# KiCad board Amiga A500 Keyboard - Mitsumi A619A Membrane - Mapping.kicad_pcb
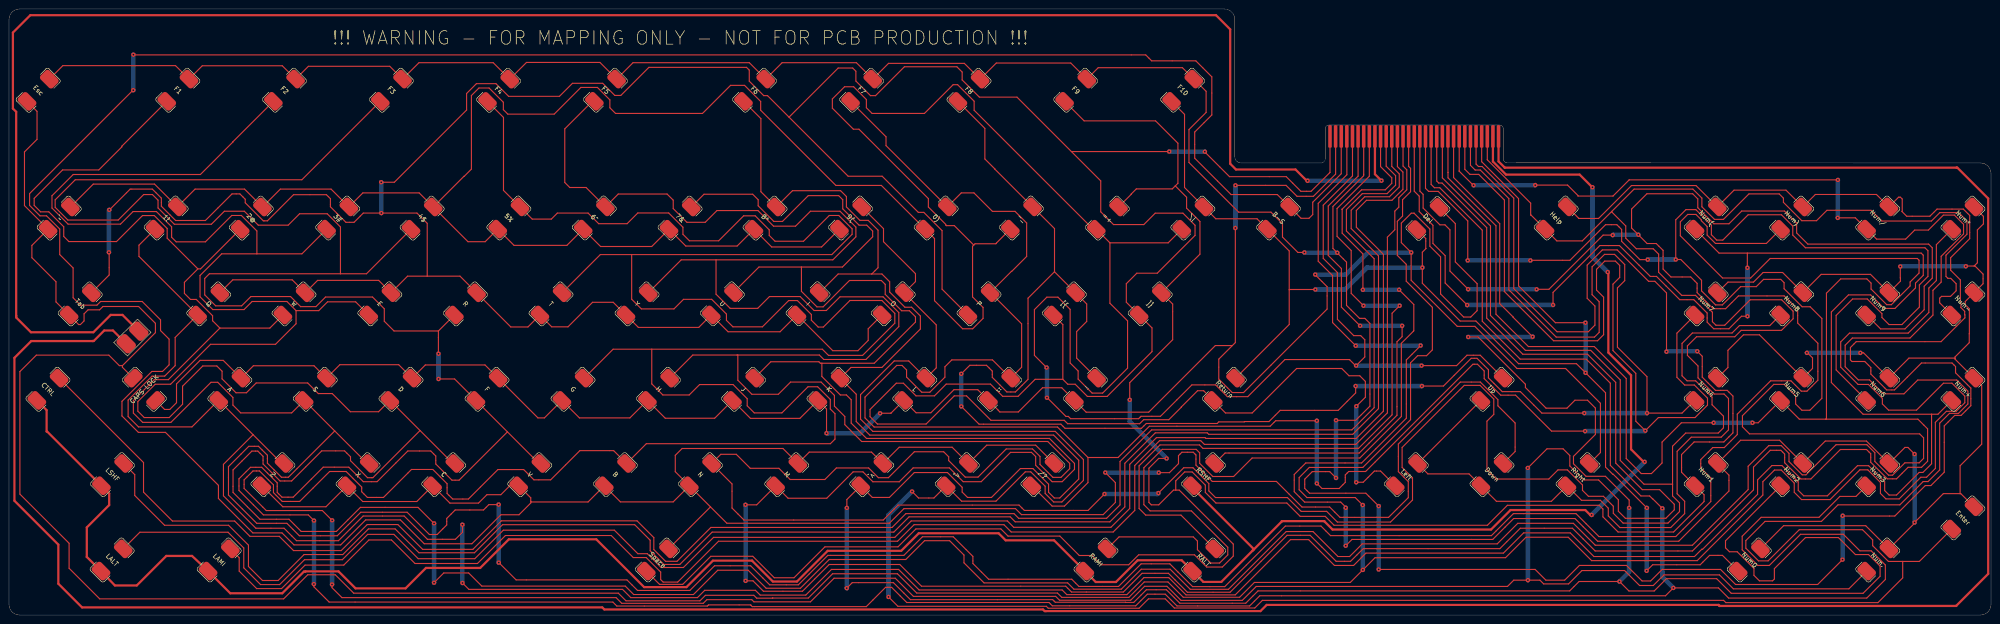
[diagram p0: board, top side]
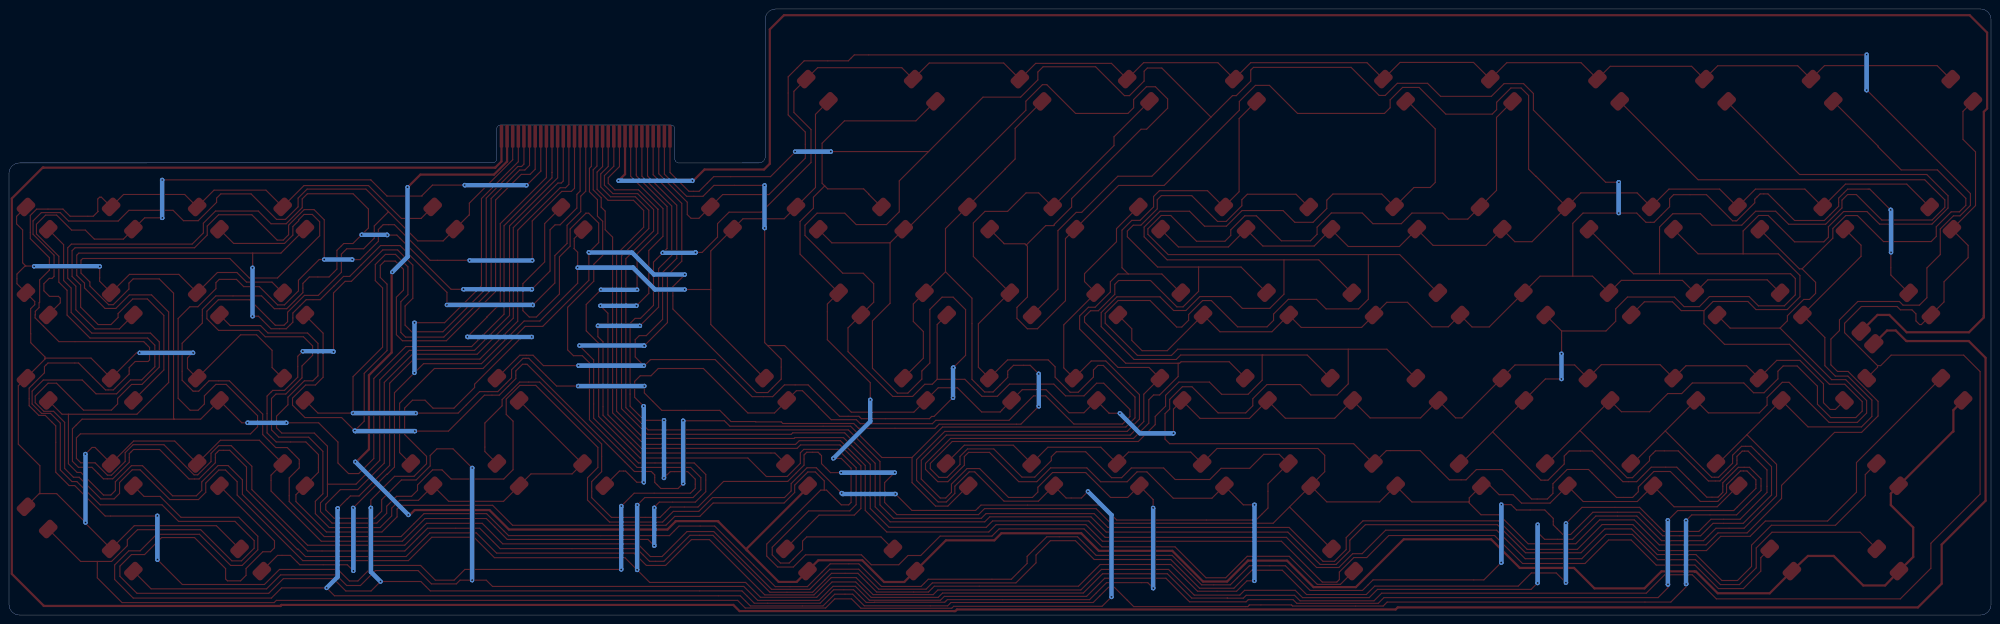
[diagram p1: board, bottom side, seen from below]

Outline 441 x 134.9 mm; copper layers: Top, Bottom. Coordinates in mm from the lower left corner of the outline.
Outline path: 0,2.32 0,132.57 arc(0.68,134.21) 2.32,134.9 270.41,134.9 arc(272.05,134.22) 272.74,132.58 272.74,102.02 arc(273.16,101.04) 274.14,100.63 291.97,100.62 arc(292.59,100.88) 292.85,101.51 292.85,108.19 arc(293.11,108.82) 293.73,109.07 331.62,109.07 arc(332.24,108.82) 332.5,108.19 332.5,101.53 arc(332.76,100.91) 333.38,100.65 438.67,100.63 arc(440.31,99.95) 441,98.31 441,2.33 arc(440.32,0.69) 438.68,0 2.33,0 arc(0.69,0.68) 0,2.32
Stack: Top 0.035mm / dielectric 1.51mm FR4 er 4.5 / Bottom 0.035mm

## Placement (name value [footprint] x y rotation side)
J1  Conn_01x31  [A500 Mitsumi Keyboard Edge Connector]  293.93 109.03 0 top
LED1  LED  [Amiga_Mitsumi_LED_Pad]  27.48 61.78 0 top
SW1  Num*  [Amiga_Mitsumi_Key_Pad]  434.75 88.35 315 top
SW2  Num+  [Amiga_Mitsumi_Key_Pad]  434.75 50.25 315 top
SW3  Num9  [Amiga_Mitsumi_Key_Pad]  415.8 69.27 315 top
SW4  Num6  [Amiga_Mitsumi_Key_Pad]  415.8 50.25 315 top
SW5  Num3  [Amiga_Mitsumi_Key_Pad]  415.8 31.25 315 top
SW6  Num.  [Amiga_Mitsumi_Key_Pad]  415.8 12.25 315 top
SW7  Num8  [Amiga_Mitsumi_Key_Pad]  396.65 69.27 315 top
SW8  Num5  [Amiga_Mitsumi_Key_Pad]  396.65 50.25 315 top
SW9  Num2  [Amiga_Mitsumi_Key_Pad]  396.65 31.25 315 top
SW10  Enter  [Amiga_Mitsumi_Key_Pad]  434.74 21.62 315 top
SW11  Num7  [Amiga_Mitsumi_Key_Pad]  377.62 69.25 315 top
SW12  Num4  [Amiga_Mitsumi_Key_Pad]  377.62 50.26 315 top
SW13  Num1  [Amiga_Mitsumi_Key_Pad]  377.62 31.25 315 top
SW14  Num0  [Amiga_Mitsumi_Key_Pad]  387.22 12.25 315 top
SW15  Num-  [Amiga_Mitsumi_Key_Pad]  434.75 69.27 315 top
SW17  Z  [Amiga_Mitsumi_Key_Pad]  58.73 31.25 135 top
SW18  X  [Amiga_Mitsumi_Key_Pad]  77.67 31.25 135 top
SW19  C  [Amiga_Mitsumi_Key_Pad]  96.72 31.25 135 top
SW20  V  [Amiga_Mitsumi_Key_Pad]  115.88 31.25 135 top
SW21  B  [Amiga_Mitsumi_Key_Pad]  134.93 31.25 135 top
SW22  N  [Amiga_Mitsumi_Key_Pad]  153.85 31.25 135 top
SW23  M  [Amiga_Mitsumi_Key_Pad]  173.04 31.25 315 top
SW24  ,<  [Amiga_Mitsumi_Key_Pad]  191.97 31.25 315 top
SW25  .>  [Amiga_Mitsumi_Key_Pad]  210.99 31.25 315 top
SW26  /?  [Amiga_Mitsumi_Key_Pad]  230.04 31.25 315 top
SW27  Space  [Amiga_Mitsumi_Key_Pad]  144.27 12.25 315 top
SW28  B-S  [Amiga_Mitsumi_Key_Pad]  282.47 88.37 315 top
SW29  Down  [Amiga_Mitsumi_Key_Pad]  329.97 31.25 315 top
SW30  CAPS LOCK  [Amiga_Mitsumi_Key_Pad]  30.13 50.25 225 top
SW31  A  [Amiga_Mitsumi_Key_Pad]  49.14 50.25 315 top
SW32  S  [Amiga_Mitsumi_Key_Pad]  68.15 50.25 315 top
SW33  D  [Amiga_Mitsumi_Key_Pad]  87.22 50.25 315 top
SW34  F  [Amiga_Mitsumi_Key_Pad]  106.37 50.25 315 top
SW35  G  [Amiga_Mitsumi_Key_Pad]  125.5 50.25 135 top
SW36  H  [Amiga_Mitsumi_Key_Pad]  144.53 50.25 135 top
SW37  J  [Amiga_Mitsumi_Key_Pad]  163.46 50.25 135 top
SW38  K  [Amiga_Mitsumi_Key_Pad]  182.46 50.25 135 top
SW39  L  [Amiga_Mitsumi_Key_Pad]  201.55 50.25 135 top
SW40  ;:  [Amiga_Mitsumi_Key_Pad]  220.41 50.25 135 top
SW41  "'  [Amiga_Mitsumi_Key_Pad]  239.53 50.25 135 top
SW43  Del  [Amiga_Mitsumi_Key_Pad]  315.72 88.27 315 top
SW44  Right  [Amiga_Mitsumi_Key_Pad]  349.12 31.25 315 top
SW45  Tab  [Amiga_Mitsumi_Key_Pad]  15.85 69.25 315 top
SW46  Q  [Amiga_Mitsumi_Key_Pad]  44.44 69.26 315 top
SW47  W  [Amiga_Mitsumi_Key_Pad]  63.42 69.25 315 top
SW48  E  [Amiga_Mitsumi_Key_Pad]  82.52 69.27 315 top
SW49  R  [Amiga_Mitsumi_Key_Pad]  101.57 69.25 315 top
SW50  T  [Amiga_Mitsumi_Key_Pad]  120.6 69.26 135 top
SW51  Y  [Amiga_Mitsumi_Key_Pad]  139.75 69.26 135 top
SW52  U  [Amiga_Mitsumi_Key_Pad]  158.72 69.27 135 top
SW53  I  [Amiga_Mitsumi_Key_Pad]  177.79 69.28 135 top
SW54  O  [Amiga_Mitsumi_Key_Pad]  196.75 69.27 135 top
SW55  P  [Amiga_Mitsumi_Key_Pad]  215.83 69.28 135 top
SW56  [{  [Amiga_Mitsumi_Key_Pad]  234.82 69.26 135 top
SW57  ]}  [Amiga_Mitsumi_Key_Pad]  253.93 69.26 135 top
SW58  Return  [Amiga_Mitsumi_Key_Pad]  270.43 50.25 135 top
SW59  Left  [Amiga_Mitsumi_Key_Pad]  310.92 31.25 135 top
SW60  `~  [Amiga_Mitsumi_Key_Pad]  11.18 88.35 315 top
SW61  1!  [Amiga_Mitsumi_Key_Pad]  34.98 88.37 315 top
SW62  2@  [Amiga_Mitsumi_Key_Pad]  53.92 88.35 315 top
SW63  3#  [Amiga_Mitsumi_Key_Pad]  73.14 88.37 315 top
SW64  4$  [Amiga_Mitsumi_Key_Pad]  91.92 88.35 315 top
SW65  5%  [Amiga_Mitsumi_Key_Pad]  111.22 88.37 135 top
SW66  6^  [Amiga_Mitsumi_Key_Pad]  130.23 88.38 135 top
SW67  7&  [Amiga_Mitsumi_Key_Pad]  149.32 88.35 135 top
SW68  8*  [Amiga_Mitsumi_Key_Pad]  168.22 88.35 135 top
SW69  9(  [Amiga_Mitsumi_Key_Pad]  187.25 88.37 135 top
SW70  0)  [Amiga_Mitsumi_Key_Pad]  206.3 88.37 135 top
SW71  -_  [Amiga_Mitsumi_Key_Pad]  225.28 88.37 135 top
SW72  =+  [Amiga_Mitsumi_Key_Pad]  244.4 88.35 135 top
SW73  \|  [Amiga_Mitsumi_Key_Pad]  263.42 88.35 135 top
SW74  Up  [Amiga_Mitsumi_Key_Pad]  329.98 50.25 315 top
SW75  Esc  [Amiga_Mitsumi_Key_Pad]  6.49 116.8 315 top
SW76  Num(  [Amiga_Mitsumi_Key_Pad]  377.62 88.37 315 top
SW77  F1  [Amiga_Mitsumi_Key_Pad]  37.57 116.82 315 top
SW78  F2  [Amiga_Mitsumi_Key_Pad]  61.29 116.82 315 top
SW79  F3  [Amiga_Mitsumi_Key_Pad]  85.09 116.82 315 top
SW80  F4  [Amiga_Mitsumi_Key_Pad]  108.94 116.8 315 top
SW81  F5  [Amiga_Mitsumi_Key_Pad]  132.72 116.82 315 top
SW82  Num)  [Amiga_Mitsumi_Key_Pad]  396.65 88.35 315 top
SW83  F6  [Amiga_Mitsumi_Key_Pad]  165.89 116.82 315 top
SW84  Num/  [Amiga_Mitsumi_Key_Pad]  415.8 88.37 315 top
SW85  F7  [Amiga_Mitsumi_Key_Pad]  189.72 116.82 315 top
SW86  F8  [Amiga_Mitsumi_Key_Pad]  213.61 116.8 315 top
SW87  F9  [Amiga_Mitsumi_Key_Pad]  237.34 116.82 315 top
SW88  F10  [Amiga_Mitsumi_Key_Pad]  261.14 116.82 315 top
SW89  Help  [Amiga_Mitsumi_Key_Pad]  344.25 88.37 315 top
SW91  LAMI  [Amiga_Mitsumi_Key_Pad]  46.77 12.25 135 top
SW92  LALT  [Amiga_Mitsumi_Key_Pad]  22.95 12.25 135 top
SW93  LSHF  [Amiga_Mitsumi_Key_Pad]  23.03 31.25 135 top
SW94  CTRL  [Amiga_Mitsumi_Key_Pad]  8.67 50.25 135 top
SW95  RAMI  [Amiga_Mitsumi_Key_Pad]  241.85 12.25 135 top
SW96  RALT  [Amiga_Mitsumi_Key_Pad]  265.81 12.25 135 top
SW97  RSHF  [Amiga_Mitsumi_Key_Pad]  265.78 31.25 135 top

## Library data of the parts
J1 = -: Description: Generic connector, single row, 01x31, script generated (kicad-library-utils/schlib/autogen/connector/)
LED1 = -: Description: Light emitting diode, small symbol
SW1-SW15 SW17-SW41 SW43-SW89 SW91-SW97 = -: Description: Push button switch, generic, two pins

## Footprints (pads in the part's own frame, mm; a bottom-side part is the same pattern mirrored in y, then rotated)
A500 Mitsumi Keyboard Edge Connector
  rrect 0.8x5 smd: 1(0,-2.5) 2(1.25,-2.5) 3(2.5,-2.5) 4(3.75,-2.5) 5(5,-2.5) 6(6.25,-2.5) 7(7.5,-2.5) 8(8.75,-2.5) 9(10,-2.5) 10(11.25,-2.5) 11(12.5,-2.5) 12(13.75,-2.5) 13(15,-2.5) 14(16.25,-2.5) 15(17.5,-2.5) 16(18.75,-2.5) 17(20,-2.5) 18(21.25,-2.5) 19(22.5,-2.5) 20(23.75,-2.5) 21(25,-2.5) 22(26.25,-2.5) 23(27.5,-2.5) 24(28.75,-2.5) 25(30,-2.5) 26(31.25,-2.5) 27(32.5,-2.5) 28(33.75,-2.5) 29(35,-2.5) 30(36.25,-2.5) 31(37.5,-2.5)
Amiga_Mitsumi_Key_Pad
  rrect 3.9x2.8 smd: 1(0,-3.5) 2(0,3.5)
Amiga_Mitsumi_LED_Pad
  rrect 3x4 smd rot 45: 1(-1.397,-1.397) 2(1.397,1.397)

## Nets
GND: J1.30 SW91.2 SW92.2 SW93.2 SW94.2 SW95.2 SW96.2 SW97.2
VCC: J1.9 LED1.2
/CAPS_LED: J1.31 LED1.1
/PA2_~{X2}: J1.7 SW75.2 SW76.2 SW77.2 SW78.2 SW79.2 SW80.2 SW81.2 SW82.2 SW83.2 SW84.2 SW85.2 SW86.2 SW87.2 SW88.2 SW89.2
/PA3_~{X3}: J1.5 SW60.2 SW61.2 SW62.2 SW63.2 SW64.2 SW65.2 SW66.2 SW67.2 SW68.2 SW69.2 SW70.2 SW71.2 SW72.2 SW73.2 SW74.2
/PA4_~{X4}: J1.1 SW45.2 SW46.2 SW47.2 SW48.2 SW49.2 SW50.2 SW51.2 SW52.2 SW53.2 SW54.2 SW55.2 SW56.2 SW57.2 SW58.2 SW59.2
/PA5_~{X5}: J1.2 SW30.2 SW31.2 SW32.2 SW33.2 SW34.2 SW35.2 SW36.2 SW37.2 SW38.2 SW39.2 SW40.2 SW41.2 SW43.2 SW44.2
/PA6_~{X6}: J1.3 SW17.2 SW18.2 SW19.2 SW20.2 SW21.2 SW22.2 SW23.2 SW24.2 SW25.2 SW26.2 SW27.2 SW28.2 SW29.2
/PA7_~{X7}: J1.4 SW1.2 SW2.2 SW3.2 SW4.2 SW5.2 SW6.2 SW7.2 SW8.2 SW9.2 SW10.2 SW11.2 SW12.2 SW13.2 SW14.2 SW15.2
/PB0_~{RSHF}: J1.6 SW97.1
/PB1_~{RALT}: J1.8 SW96.1
/PB2_~{RAMI}: J1.10 SW95.1
/PB3_~{LCTRL}: J1.11 SW94.1
/PB4_~{LSHF}: J1.12 SW93.1
/PB5_~{LALT}: J1.13 SW92.1
/PB6_~{LAMI}: J1.14 SW91.1
/PD0_~{Y0}: J1.29 SW15.1 SW29.1 SW44.1 SW59.1 SW74.1 SW89.1
/PD0_~{Y8}: J1.21 SW7.1 SW22.1 SW36.1 SW51.1 SW66.1 SW81.1
/PD1_~{Y1}: J1.28 SW14.1 SW28.1 SW43.1 SW58.1 SW73.1 SW88.1
/PD1_~{Y9}: J1.20 SW6.1 SW21.1 SW35.1 SW50.1 SW65.1 SW80.1
/PD2_~{Y2}: J1.27 SW13.1 SW27.1 SW57.1 SW72.1 SW87.1
/PD2_~{Y10}: J1.19 SW5.1 SW20.1 SW34.1 SW49.1 SW64.1 SW79.1
/PD3_~{Y3}: J1.26 SW12.1 SW41.1 SW56.1 SW71.1 SW86.1
/PD3_~{Y11}: J1.18 SW4.1 SW19.1 SW33.1 SW48.1 SW63.1 SW78.1
/PD4_~{Y4}: J1.25 SW11.1 SW26.1 SW40.1 SW55.1 SW70.1 SW85.1
/PD4_~{Y12}: J1.17 SW3.1 SW18.1 SW32.1 SW47.1 SW62.1 SW77.1
/PD5_~{Y5}: J1.24 SW10.1 SW25.1 SW39.1 SW54.1 SW69.1 SW84.1
/PD5_~{Y13}: J1.16 SW2.1 SW17.1 SW31.1 SW46.1 SW61.1 SW76.1
/PD6_~{Y6}: J1.23 SW9.1 SW24.1 SW38.1 SW53.1 SW68.1 SW83.1
/PD6_~{Y14}: J1.15 SW1.1 SW30.1 SW45.1 SW60.1 SW75.1
/PD7_~{Y7}: J1.22 SW8.1 SW23.1 SW37.1 SW52.1 SW67.1 SW82.1

## Via types
v1: diameter 1, hole 0.4, Top to Bottom, 120 vias

## Routing (per net, layer and track width the routed paths; a pad name or vN(x,y) marks a point on that pad's centre or on a via; arc(x,y) is an arc through that point)
GND: length 558.9
  Top w0.5: v1(355.71,76.34) 355.86,76.19 355.86,58.42 360.91,53.37 360.91,36.89 363.71,34.09 v1(363.93,34.09) ; SW91.2 49.24,4.84 60.8,4.84 65.62,9.67 65.93,9.67 65.98,9.72 73.32,9.72 77.1,5.93 88.23,5.93 92.78,10.48 104.84,10.48 111.22,16.85 130.67,16.85 141.32,6.21 150.74,6.21 156.63,12.1 165.34,12.1 165.34,12.08 169.97,7.46 175.33,7.46 182.16,14.29 198.52,14.29 202.43,18.2 220.18,18.2 221.76,16.62 232.53,16.62 SW95.2 241.8,7.35 246.3,7.35 251.14,12.19 260.92,12.19 265.74,7.37 269.74,7.37 276.73,14.36 ; 276.73,14.36 277.01,14.64 277,14.64 262.95,28.69 ; 276.73,14.36 283.21,20.84 283.21,20.9 292.65,20.9 292.65,20.87 294.49,19.03 329.76,19.03 334.09,23.36 350.73,23.36 351.81,22.28 v1(352.14,22.28) ; v1(352.32,95.22) 352.28,95.22 349.47,98.03 333.09,98.03 330.18,100.94 J1.30 ; 44.3,9.8 40.73,13.15 35,13.15 28.43,6.58 23.56,6.58 SW92.2 17.33,12.92 17.31,12.92 17.31,19.49 22.29,24.47 22.29,27.04 SW93.2 8.47,40.86 8.37,40.86 8.37,45.6 SW94.2
  Bottom w1: v1(352.14,22.28) 352.14,22.3 v1(363.93,34.09) ; v1(355.71,76.34) 352.32,79.73 v1(352.32,95.22)
VCC: length 444.8
  Top w0.5: J1.9 303.93,98.12 v1(305.37,96.68) ; LED1.2 25.25,66.8 22.63,66.8 18.77,62.94 4.89,62.94 1.61,66.22 1.61,66.59 1.6,66.6 1.6,112.01 0.87,112.74 0.87,129.64 4.75,133.52 268.56,133.52 271.72,130.36 271.72,100.45 273,99.17 286.25,99.17 288.77,96.65 v1(288.94,96.65)
  Bottom w1: v1(305.37,96.68) 288.97,96.68 v1(288.94,96.65)
/CAPS_LED: length 720
  Top w0.5: J1.31 331.43,100.96 332.8,99.59 332.8,99.58 433.32,99.58 433.33,99.59 433.5,99.59 440.37,92.72 440.37,9.16 433.25,2.04 433.25,2.02 380.61,2.02 380.6,2.01 380.6,2.04 380.39,2.25 279.83,2.25 278.45,0.87 230.72,0.87 230.71,0.88 230.43,0.88 230.07,1.24 132.46,1.24 132.01,1.69 16.26,1.69 10.98,6.97 10.98,15.67 1.21,25.44 1.21,57.25 4.94,60.98 18.64,60.98 18.66,61 18.86,61 21.19,63.33 23.14,63.33 LED1.1
/PA2_~{X2}: length 847.3
  Top w0.25: v1(295.26,43.35) 299.66,43.35 302.81,46.5 302.81,64.91 301.69,66.03 300.5,66.03 297.6,68.92 297.6,78.55 295.54,80.61 v1(295.54,80.63) 294.58,81.6 294.58,90.95 301.41,97.78 301.41,98.11 301.43,98.12 J1.7 ; v1(407.96,12.33) 402.43,6.79 384.16,6.79 380.81,10.15 367.83,10.15 365.27,7.58 363.36,7.58 359.91,11.04 349.42,11.04 346.14,7.76 341.95,7.76 339.56,10.15 v1(304.76,10.15) ; SW75.2 11.98,122.29 37.05,122.29 SW77.2 43.01,122.26 60.8,122.26 SW78.2 66.61,122.14 84.73,122.14 SW79.2 91.22,122.95 107.74,122.95 SW80.2 115.14,123 131.49,123 SW81.2 138.85,122.95 164.72,122.95 SW83.2 172.02,122.95 188.54,122.95 SW85.2 195.7,122.8 212.56,122.8 SW86.2 219.68,122.87 236.24,122.87 SW87.2 242.36,121.83 261.08,121.83 SW88.2 263.64,119.29 266.36,116.57 266.36,111.87 262.55,108.06 262.55,100.72 273.6,89.68 280.79,89.68 283.35,87.11 283.35,84.14 286.78,80.71 v1(288.23,80.71) ; SW89.2 349.26,88.31 349.26,88.28 353.63,88.28 353.66,88.25 361,95.59 375.36,95.59 SW76.2 383.83,94.58 395.37,94.58 SW82.2 401.91,93.61 415.51,93.61 SW84.2 420.43,93 420.84,93 421.25,92.6 421.25,89.9 421.17,89.83 422.24,88.76 427.4,88.76 429,90.36 434.84,90.36 436.26,88.94 436.26,83.78 432.02,79.54 432.02,76.75 434.18,74.59 434.18,69.63 434.3,69.51 434.3,68.44 435.14,67.6 435.14,66.84 435.19,66.79 435.19,66.15 429.88,60.85 411.01,60.85 409.72,59.55 409.72,56.78 410.07,56.43 412.92,56.43 414.26,55.08 414.26,53.63 417.79,50.1 419.52,50.1 425.52,56.1 432.32,56.1 433.11,55.31 433.11,53.91 436.51,50.51 436.51,46.6 434.36,44.44 432.93,44.44 430.6,42.1 430.6,31.79 427.62,28.82 426.38,28.82 419.6,22.03 408.04,22.03 v1(407.99,22.09) ; v1(304.76,24.24) 301.89,27.11 289.37,27.11 288.31,28.18 288.31,30.24 289.98,31.92 293.87,31.92 v1(295.26,30.52)
  Bottom w1: v1(407.96,12.33) 407.99,12.36 v1(407.99,22.09) ; v1(288.23,80.71) 288.31,80.63 v1(295.54,80.63) ; v1(304.76,10.15) v1(304.76,24.24) ; v1(295.26,30.52) v1(295.26,43.35)
/PA3_~{X3}: length 830.6
  Top w0.25: SW74.2 327.35,57.82 324.4,57.82 322.09,55.51 v1(314.29,55.51) ; SW64.2 91.26,93.97 78.74,93.97 SW63.2 71.66,94.81 60.38,94.81 SW62.2 52.41,94.81 41.41,94.81 SW61.2 32.38,95.92 18.75,95.92 SW60.2 ; SW64.2 101.23,97.65 101.28,97.65 102.88,99.25 102.88,115.63 104.56,117.31 106.82,117.31 110,114.14 110,112.48 110.99,111.49 121.3,111.49 127.24,117.44 130.93,117.44 133.7,114.67 133.7,112.92 134.97,111.65 154.29,111.65 160.54,117.89 163.67,117.89 167.25,114.31 167.25,112.36 183.99,95.62 194.11,95.62 SW70.2 205.93,83.79 205.93,69.96 212.18,63.72 214.42,63.72 216.73,66.03 216.73,68.47 214.39,70.8 214.39,82.08 214.66,82.35 ; SW64.2 102.13,83.1 105.95,83.1 SW65.2 112.37,82.28 124.13,82.28 SW66.2 131.63,82.03 143,82.03 SW67.2 150.59,82.13 162.01,82.13 SW68.2 169.7,81.93 180.8,81.93 SW69.2 ; SW73.2 257.91,82.84 244.96,82.84 ; 244.96,82.84 SW72.2 241.23,85.88 214.75,112.36 214.75,114.36 211.06,118.05 210.07,118.05 203.67,111.65 192.04,111.65 190.77,112.92 190.77,114.74 187.92,117.59 185.92,117.59 183.2,114.87 183.2,112.81 187.87,108.14 189.12,108.14 204.56,92.7 204.56,90.82 208.42,86.96 208.42,86.8 208.55,86.68 210.33,86.68 214.66,82.35 ; 244.96,82.84 244.96,69.4 248.88,65.47 248.88,54.95 243.32,49.39 241.01,49.39 237.89,52.51 237.89,54.32 236.11,56.1 236.11,68.03 233.39,70.75 230.93,70.75 228.16,67.98 228.16,57.8 v1(230.88,55.08) ; J1.5 298.93,97.73 292.42,91.22 292.42,79.39 295.57,76.24 295.57,65.82 299.2,62.19 300.75,62.19 301.67,61.28 301.67,57.44 v1(299.74,55.51) 299.61,55.51 298.26,56.86 283.89,56.86 275.63,48.6 271.08,48.6 268.47,51.22 263.18,51.22 256.2,44.23 251.88,44.23 251.35,43.7 236.21,43.7 235.7,44.21 235.17,44.21 231,48.37 v1(230.95,48.37) ; 214.66,82.35 214.95,82.64 219.57,82.64 219.7,82.77 219.7,82.8 SW71.2
  Bottom w1: v1(314.29,55.51) v1(299.74,55.51) ; v1(230.88,55.08) 230.95,55 v1(230.95,48.37)
/PA4_~{X4}: length 972.8
  Top w0.25: SW55.2 213.33,66.81 207.61,72.53 207.61,85.56 203.55,89.62 202.33,89.62 194.27,97.68 186.7,97.68 173.56,110.82 ; SW59.2 305.18,32.04 303.8,32.04 301.31,29.55 v1(299.76,29.55) ; v1(258.16,103.16) 236.39,103.16 ; 236.39,103.16 242.92,96.63 242.92,89.75 245.76,86.91 252.49,86.91 255.03,89.45 261.2,89.45 263.9,86.75 263.9,84.49 255.49,76.09 250.94,76.09 248.6,73.75 248.6,69.63 SW57.2 254.32,63.92 254.32,58.64 244.34,48.65 239.94,48.65 237.23,51.37 235.57,51.37 234.48,52.46 ; 236.39,103.16 224.27,115.28 215.91,115.28 212.08,119.11 212.08,120.87 210.91,122.03 199.23,122.03 192.8,115.61 191.68,115.61 188.43,118.86 188.43,121.04 187.72,121.76 184.5,121.76 173.56,110.82 ; 93.06,75.43 100.34,75.43 SW49.2 111.65,64.12 115.47,64.12 SW50.2 120.76,64.15 124.37,64.15 129.83,69.61 134.43,69.61 137.26,66.78 SW51.2 140.03,64.02 153.47,64.02 SW52.2 159.99,63.06 171.57,63.06 SW53.2 183.29,58.84 188.89,58.84 191.18,61.13 191.18,63.72 194.26,66.8 SW54.2 ; 93.06,75.43 93.06,87.19 90.77,89.47 v1(82.84,89.47) 78.83,89.47 76.77,87.41 74.97,87.41 71.52,90.87 71.52,92.67 70.63,93.56 63.31,93.56 57.5,87.74 56.58,87.74 52.57,91.76 52.57,92.55 51.37,93.74 49.62,93.74 43.7,87.82 37.07,87.82 33.9,91 33.9,92.8 31.89,94.81 26.96,94.81 22.34,90.18 v1(22.32,90.18) ; 93.06,75.43 88.68,75.43 SW48.2 82.25,74.49 68.66,74.49 SW47.2 63.01,74.61 49.8,74.61 SW46.2 ; J1.1 293.93,98.52 289.73,94.32 287.44,94.32 284.19,97.57 271.57,97.57 266.08,103.06 v1(266.08,103.14) ; 234.48,52.46 228.31,52.46 224.53,48.68 221.1,48.68 218.38,51.4 208.52,51.4 205.91,48.78 201.82,48.78 199,51.6 197.42,51.6 191.58,45.76 191.58,44.16 193.23,42.51 204.05,42.51 210.33,48.78 213.04,48.78 218.48,43.35 234.79,43.35 235.55,42.58 251.58,42.58 252.47,43.47 258.05,43.47 260.85,46.27 260.85,46.32 264.45,49.92 265.81,49.92 SW58.2 267.96,47.69 270.68,44.97 276.6,44.97 286.5,54.88 296.53,54.88 298.16,53.25 300.55,53.25 301.79,52.01 301.79,48.48 v1(299.79,46.47) ; 234.48,52.46 234.48,64.65 SW56.2 ; 173.56,110.82 168.77,115.61 167.93,115.61 164.71,118.83 164.71,121.3 164.1,121.91 142.38,121.91 136.13,115.66 134.79,115.66 132.09,118.35 125.36,118.35 122.47,115.46 111.17,115.46 108.35,118.28 104,118.28 101.82,116.09 101.82,112.41 85.74,96.33 v1(82.82,96.33) ; v1(22.24,80.73) 22.29,80.68 22.29,75.69 SW45.2
  Bottom w1: v1(22.24,80.73) 22.24,90.11 v1(22.32,90.18) ; v1(299.76,29.55) 299.76,46.44 v1(299.79,46.47) ; v1(82.82,96.33) 82.84,96.3 v1(82.84,89.47) ; v1(258.16,103.16) 258.18,103.14 v1(266.08,103.14)
/PA5_~{X5}: length 583.2
  Top w0.25: 272.2,59.98 272.86,60.64 v1(272.86,86.14) ; 272.2,59.98 269.18,56.96 269.18,52.51 272.18,49.52 274.69,49.52 293.28,68.11 293.28,73.09 290.64,75.73 v1(290.64,75.78) ; 272.2,59.98 268.42,59.98 253.58,45.15 239.68,45.15 SW41.2 234.24,50.58 229.96,50.58 224.58,45.2 220.46,45.2 220.13,45.53 220.13,45.57 SW40.2 215.55,50.15 210.25,50.15 205.12,45.02 201.83,45.02 SW39.2 196.23,44.93 196.23,44.92 193.84,44.92 v1(193.82,44.89) ; v1(181.9,40.48) 181.9,45.85 SW38.2 175.98,43.78 164.98,43.78 SW37.2 157.01,43.8 146.02,43.8 SW36.2 138.15,43.88 126.92,43.88 SW35.2 119.13,43.88 117.69,43.88 SW34.2 105.9,55.66 92.64,55.66 SW33.2 86.71,55.72 73.62,55.72 SW32.2 67.86,55.49 54.38,55.49 SW31.2 47.66,56.68 42.51,56.68 37.28,51.45 37.28,47.26 35.78,45.76 34.62,45.76 SW30.2 ; SW44.2 351.66,33.72 354.09,36.16 354.09,47.13 346.34,54.88 335.52,54.88 326.15,64.25 322.24,64.25 311.98,74.51 v1(311.98,80.71) 309.79,82.89 309.79,87.24 312,89.45 312.64,89.45 312.64,89.42 316.14,85.92 316.14,82.11 318.53,79.72 318.53,71.46 323.66,66.33 325.24,66.33 326.66,67.75 326.66,73.75 321.81,78.6 321.81,87.13 SW43.2 ; v1(272.89,95.64) 284.14,95.64 286.58,93.21 290.24,93.21 295.18,98.15 J1.2
  Bottom w1: v1(193.82,44.89) 189.35,40.42 181.96,40.42 v1(181.9,40.48) ; v1(272.86,86.14) 272.89,86.17 v1(272.89,95.64) ; v1(311.98,80.71) 311.95,80.68 302.38,80.68 297.47,75.78 v1(290.64,75.78)
/PA6_~{X6}: length 1020.9
  Top w0.25: SW22.2 148.25,31.9 148.25,35.55 149.77,37.07 172.2,37.07 175.52,33.75 SW23.2 178.05,36.26 191.91,36.26 SW24.2 198.07,37.35 209.84,37.35 SW25.2 217.55,37.81 228.44,37.81 SW26.2 ; SW22.2 156.09,24.06 ; SW22.2 147.78,25.18 136.04,25.18 SW21.2 128.83,25.16 116.25,25.16 116.09,25.31 ; SW17.2 60.93,24.09 70.52,24.09 SW18.2 78.71,25.26 90.74,25.26 SW19.2 94.25,28.76 98.11,24.91 104.46,24.91 106.34,26.78 109.44,26.78 111.43,28.78 SW20.2 116.09,26.08 116.09,25.31 ; 156.09,24.06 159.72,20.43 195.87,20.43 199.13,23.69 223.94,23.69 225.29,22.34 243.45,22.34 246.17,25.06 246.17,29.48 v1(243.93,31.71) ; 156.09,24.06 156.08,24.06 SW27.2 ; J1.3 296.43,98.23 290.08,91.88 290.08,89.14 289.24,88.3 287.49,88.3 SW28.2 282.2,93.59 271.92,93.59 263.82,101.69 263.82,107.51 267.63,111.32 267.63,119.8 264.07,123.36 254.24,123.36 252.92,124.68 27.73,124.68 v1(27.68,124.73) ; v1(255.82,31.69) 258.21,31.69 260.21,33.69 260.21,35.47 260.97,36.23 263.49,36.23 264.1,35.62 264.1,33.36 267.73,29.73 282.01,29.73 287.7,24.04 293.84,24.04 296.15,21.73 306.95,21.73 311.34,26.12 311.34,29.71 309.13,31.92 309.13,38.06 322.93,51.85 327.37,51.85 331.28,47.94 331.28,46.57 335.12,42.74 335.12,36.4 SW29.2 ; 116.09,25.31 116.09,24.93 113.48,22.31 109.44,22.31 102.99,15.86 92.39,15.86 87.09,21.17 79.36,21.17 73.8,15.61 63.41,15.61 60.75,18.28 54.27,18.28 46.6,25.95 46.6,28.87 34.81,40.65 28.79,40.65 25.14,44.31 25.14,47.56 31.79,54.22 34.15,54.22 35.63,55.69 35.63,61.4 33.72,63.31 33.72,65.7 29.63,69.79 20.39,69.79 19.57,68.97 15.92,68.97 14.26,70.63 14.26,77.25 11.29,80.23 11.29,85.92 8.35,88.86 6.9,88.86 4.59,91.17 4.59,93.82 27.6,116.83 v1(27.65,116.83)
  Bottom w1: v1(243.93,31.71) 243.96,31.69 v1(255.82,31.69) ; v1(27.68,124.73) 27.68,116.85 v1(27.65,116.83)
/PA7_~{X7}: length 586.1
  Top w0.25: SW12.2 382.46,55.09 382.46,58.92 385.92,62.37 389.48,62.37 SW8.2 401.28,54.88 401.28,57.24 400.17,58.36 v1(400.04,58.36) ; 434.13,27.01 434.28,27.01 437.2,24.09 SW10.2 ; 434.13,27.01 430.39,27.01 v1(423.99,20.61) 423.99,20.44 SW6.2 413.12,19.88 394.85,19.88 SW14.2 ; 434.13,27.01 434.13,33.24 438.93,38.04 438.93,51.02 SW2.2 433.01,56.94 433.01,57.11 ; 437.25,77.69 437.96,78.4 437.96,85.71 439.31,87.06 439.31,88.74 SW1.2 ; 437.25,77.69 435.45,77.69 v1(435.4,77.64) ; 437.25,77.69 437.43,77.69 439.23,75.88 439.23,73.75 SW15.2 435.27,69.78 435.27,69.08 436.18,68.16 436.18,62.62 436.16,62.6 436.16,60.62 433.01,57.47 433.01,57.11 ; 433.01,57.11 432.93,57.19 422.74,57.19 SW4.2 412.64,58.36 v1(411.93,58.36) ; v1(297.42,23.86) 297.42,24.02 296.31,25.13 288.28,25.13 285.97,27.45 285.97,31.28 288.53,33.85 300.95,33.85 310.91,43.8 310.91,56.78 314.09,59.96 v1(314.09,59.98) ; SW11.2 382.48,74.1 388.15,74.1 390.29,76.24 394.63,76.24 SW7.2 403.21,75.83 414.19,75.83 SW3.2 420.84,74.31 420.84,75.02 420.82,75.04 v1(420.82,77.58) ; v1(299.66,59.93) 294.5,65.09 294.5,75.55 291.3,78.75 291.3,91.63 297.68,98 J1.4 ; v1(423.99,35.83) 422.52,37.3 421.85,37.3 SW5.2 413.28,38.72 404.12,38.72 SW9.2 399.12,33.75 393.97,38.9 385.28,38.9 SW13.2 382.69,31.13 382.69,27.6 371.52,16.42 353.48,16.42 348.43,21.48 334.79,21.48 330.14,16.83 298.82,16.83 v1(297.42,15.43)
  Bottom w1: v1(299.66,59.93) 299.71,59.98 v1(314.09,59.98) ; v1(297.42,15.43) v1(297.42,23.86) ; v1(420.82,77.58) 420.87,77.64 v1(435.4,77.64) ; v1(423.99,20.61) v1(423.99,35.83) ; v1(411.93,58.36) v1(400.04,58.36)
/PB0_~{RSHF}: length 122.6
  Top w0.25: SW97.1 270.58,36.06 300.42,36.06 308.83,44.46 308.83,60.82 309.97,61.96 v1(309.97,64.38) ; v1(300.62,64.38) 296.46,68.54 296.46,77.13 293.54,80.05 293.54,91.05 300.18,97.68 J1.6
  Bottom w1: v1(309.97,64.38) v1(300.62,64.38)
/PB1_~{RALT}: length 167.8
  Top w0.25: v1(309.41,68.85) 307.74,67.17 307.74,44.56 300.27,37.1 265.65,37.1 264.89,37.86 256.1,37.86 251.45,33.21 251.45,23.71 252.92,22.24 260.77,22.24 SW96.1 ; J1.8 302.68,97.67 295.49,90.49 295.49,84.29 298.64,81.14 298.64,71.59 v1(301.39,68.85)
  Bottom w1: v1(309.41,68.85) v1(301.39,68.85)
/PB2_~{RAMI}: length 217
  Top w0.25: J1.10 305.18,99.81 307.67,97.32 307.67,96.1 306.21,94.64 300.93,94.64 296.61,90.32 296.6,90.32 296.63,90.29 296.63,85 301.25,80.38 v1(301.25,72.4) ; v1(309.29,72.4) 312.57,69.12 312.57,63.27 312.49,63.19 312.49,63.18 309.8,60.49 309.8,44.19 300.56,34.95 276.6,34.95 272.48,30.83 267.85,30.83 264.93,33.75 264.93,36.09 264.14,36.88 256.6,36.88 252.51,32.79 252.51,24.57 253.9,23.18 263.08,23.18 271.18,15.08 271.18,13.39 269.36,11.57 267.41,11.57 266.47,12.51 266.46,12.51 264.43,14.54 264.43,16.46 263.5,17.39 246.99,17.39 244.09,14.49